# Altium PCB UmSELv1.PcbDoc (part 2 of 2) (continued)
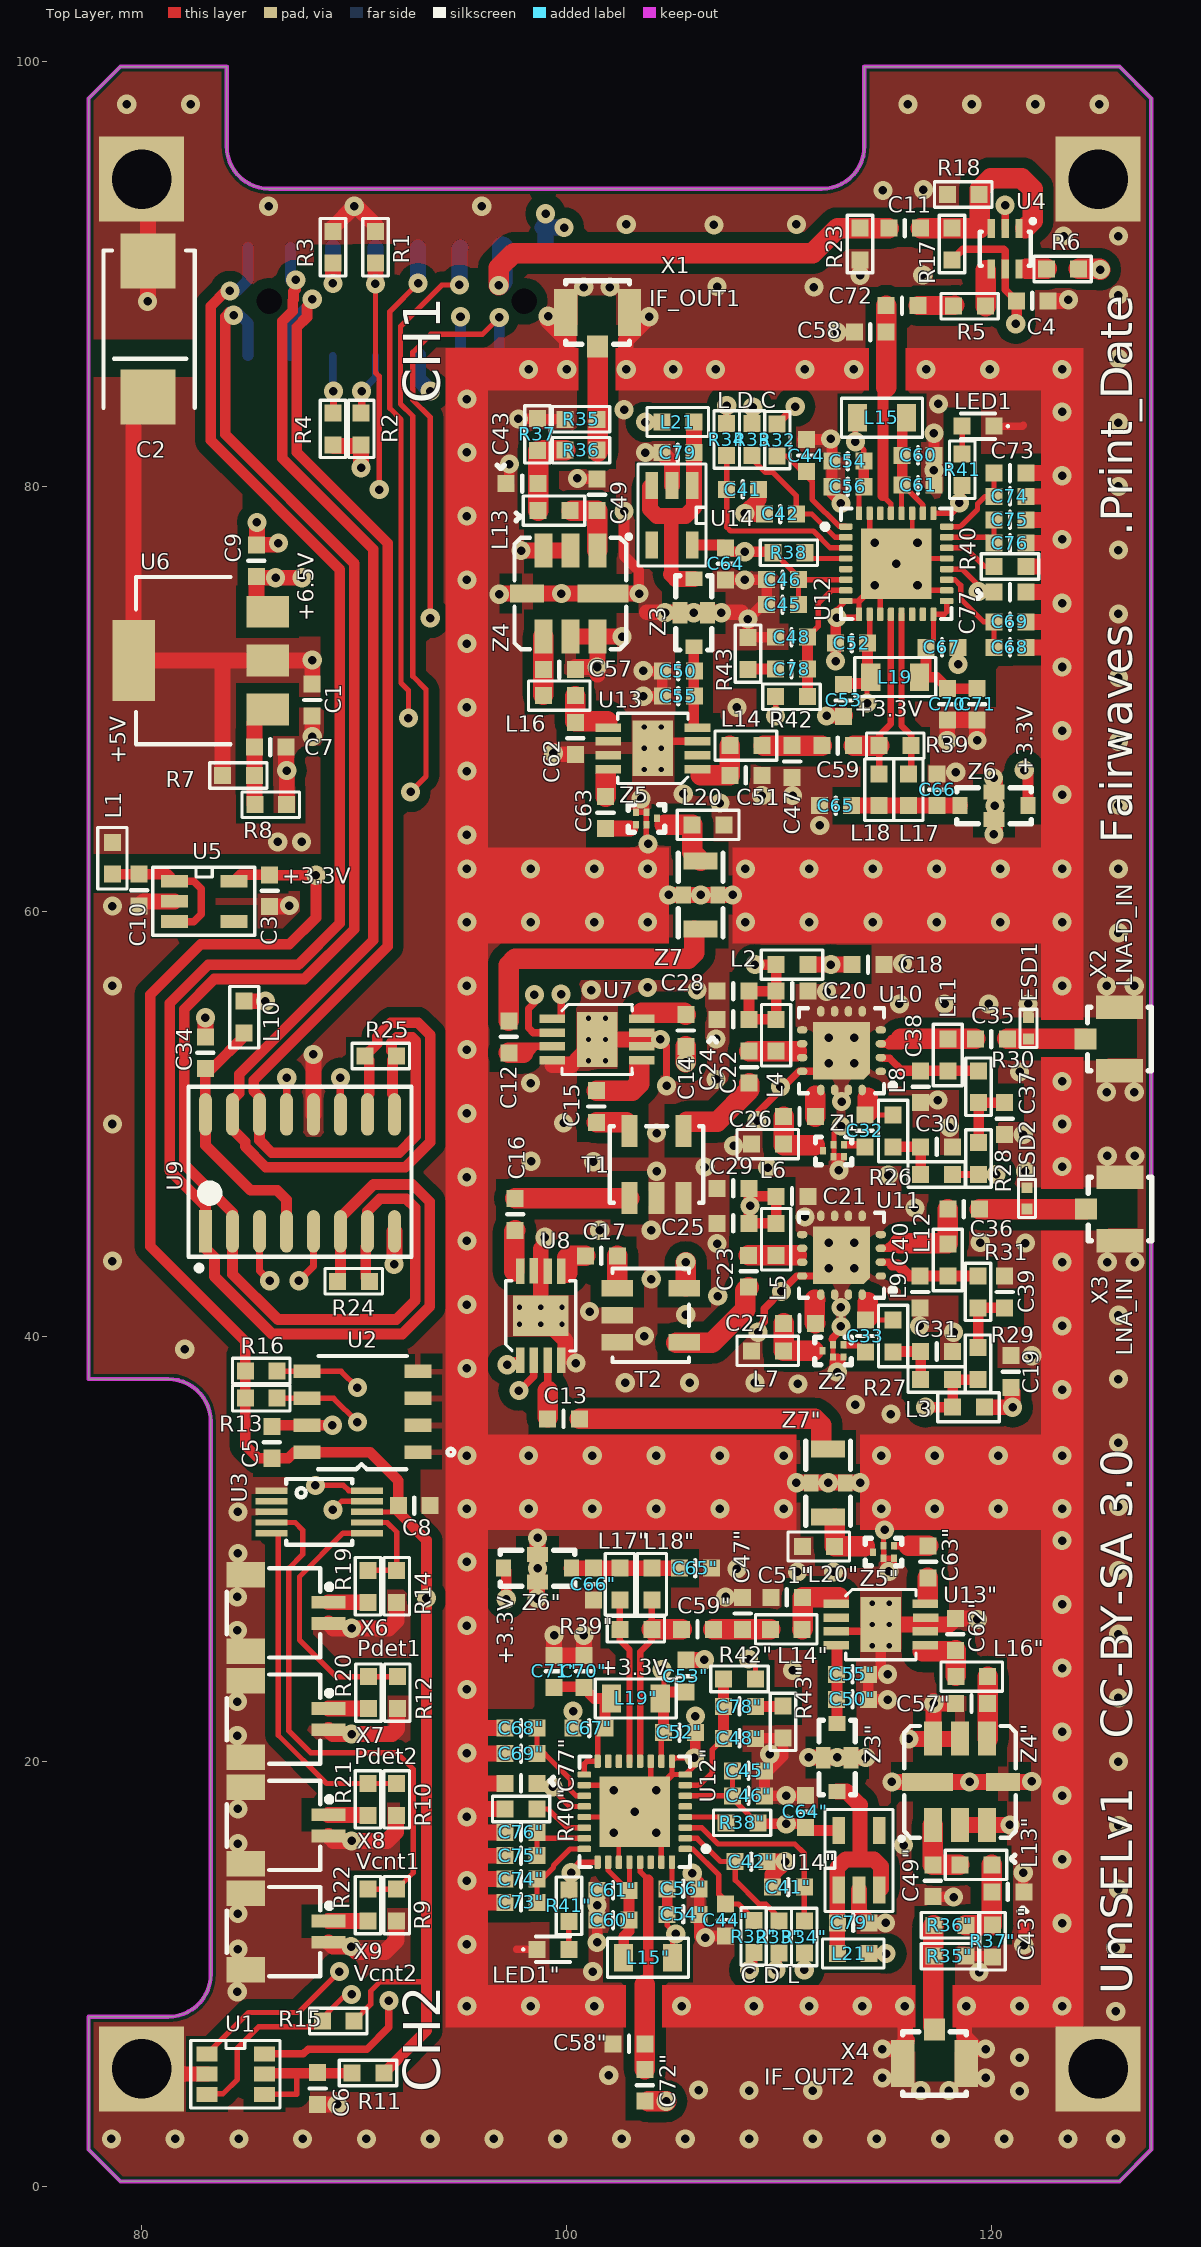
[diagram p0: Top Layer view]
## Nets (pads, with @x,y where several pads share a name; then routed paths per layer and width w, separated by ;. In a path a pad name is that pad's centre, name@x,y a point inside that pad or via, vN(x,y) a via of type N, cw(c..) or ccw(c..) an arc to the next point about the centre after c; other vN are vias at no path point) (continued)
  Top Layer w0.5: L1.2@78.625,61.75 C10.2@79.875,61.75 81.214,61.75 U5.1@81.54,61.424
NetC11_2: C11.2 R17.2 R18.1 U4.1 U4.3 | length 9.5
  Top Layer w0.965: C11.2@116.65,92.15 R17.2@118.125,92.15 119.425,92.15 119.425,93.975 119.95,94.5 121.394,94.5 121.925,93.969 121.925,92.5 121.575,92.15
NetC12_2: C12.2 U7.3 | length 2.9
  Top Layer w0.35: C12.2@97.65,53.65 98.55,53.65 ; 97.95,53.35 98.05,53.35 ; 98.25,53.35 98.55,53.65 ; U7.3@99.325,53.65 98.55,53.65
  Top Layer w0.965: C12.2@97.275,53.35 97.95,53.35
NetC13_2: C13.2 U8.3 | length 2.7
  Top Layer w0.35: 99.1,37.45 U8.3@99.1,38.875
  Top Layer w0.965: C13.2@99.1,36.2 99.1,37.45
NetC14_1: C14.1 U7.8 | length 2.1
  Top Layer w0.965: 103.525,55.233 105.517,55.233 C14.1@105.6,55.15
NetC14_2: C14.2 T2.4 | length 11.3
  Top Layer w0.965: T2.4@105.6,42.375 v2(105.6,43.5) ; v2(105.6,52.9) C14.2@105.6,53.65
  Internal1 w0.345: v2(105.6,43.5) v2(105.6,52.9)
NetC15_1: C15.1 U7.5 | length 2.9
  Top Layer w0.965: C15.1@101.4,51.575 103.075,51.575 103.4,51.9 103.4,52.7
NetC15_2: C15.2 T1.4 | length 1.4
  Top Layer w0.965: C15.2@101.4,50.075 T1.4@102.805,50.075
NetC16_1: C16.1 U8.8 | length 1.9
  Top Layer w0.965: 97.517,43.075 97.517,44.942 C16.1@97.575,45
NetC16_2: C16.2 T1.3 | length 5.4
  Top Layer w0.965: C16.2@97.575,46.5 T1.3@102.93,46.5
NetC17_1: C17.1 U8.5 | length 1.6
  Top Layer w0.965: 100.032,43 100.032,43.7 100.132,43.8 C17.1@100.875,43.8
NetC17_2: C17.2 T2.3 | length 1.2
  Top Layer w0.965: T2.3@102.375,42.57 C17.2@102.375,43.8
NetC20_2: C20.2 C24.2 C28.2 L2.2 L4.1 R26.2 R28.1 | length 30.8
  Top Layer w0.35: R26.2@118.15,47.625 R28.1@119.375,47.625 v2(120.2,47.625)
  Top Layer w0.5: v2(108.85,57.5) L2.2@109.85,57.5 C20.2@109.85,56.25 ; C20.2@109.85,56.25 L4.1@109.85,54.925 C24.2@108.575,54.925 C28.2@108.575,56.25 C20.2@109.85,56.25
  Internal1 w0.35: v2(108.85,57.5) 109.805,58.455 118.045,58.455 118.9,57.6 118.9,48.925 v2(120.2,47.625)
NetC21_2: C21.2 C25.2 C29.2 L3.2 L5.1 R27.2 R29.1 | length 25.2
  Top Layer w0.5: v2@108.625,46.175 108.625,46.55 C29.2@108.575,46.6 ; v2(116.875,36.675) L3.2@118.15,36.675 R27.2@118.15,37.975 R29.1@119.35,37.975 ; C29.2@108.575,46.6 C25.2@108.575,45.325 L5.1@109.85,45.325 C21.2@109.85,46.6 C29.2@108.575,46.6
  Internal1 w0.5: v2@108.625,46.175 108.625,46.2 109,46.575 112.706,46.575 114.7,44.581 114.7,40.55 116.875,38.375 v2(116.875,36.675)
  other v2: 108.625,46.15
NetC22_1: C22.1 T1.6 | length 3.9
  Top Layer w0.965: T1.6@105.645,50.1 107.075,50.1 108.575,51.6 C22.1@108.575,51.925
NetC22_2: C22.2 L4.2 U10.10 U10.11 | length 2.2
  Top Layer w0.965: C22.2@108.575,53.425 L4.2@109.85,53.425 110.818,53.425
NetC23_1: C23.1 T2.6 | length 5
  Top Layer w0.965: T2.6@105.15,39.7 106.828,39.7 108.385,41.257 108.385,42.16 C23.1@108.55,42.325
NetC23_2: C23.2 L5.2 U11.10 U11.11 | length 2.3
  Top Layer w0.965: C23.2@108.55,43.825 L5.2@109.85,43.825 110.817,43.825
NetC26_1: C26.1 U10.13 | length 1
  Top Layer w0.965: 111.693,51.325 111.693,50.357 C26.1@111.7,50.35
NetC26_2: C26.2 L6.1 Z1.1 | length 2.8
  Top Layer w0.965: C26.2@110.2,50.35 110.2,49 111.675,49
NetC27_1: C27.1 U11.13 | length 1.1
  Top Layer w0.965: 111.693,41.742 111.673,41.723 111.673,40.652 C27.1@111.7,40.625
NetC27_2: C27.2 L7.1 Z2.1 | length 2.7
  Top Layer w0.965: C27.2@110.2,40.625 L7.1@110.2,39.325 111.625,39.325
NetC30_1: C30.1 L8.1 R26.1 | length 2.6
  Top Layer w0.5: L8.1@115.35,48.925 C30.1@116.65,48.925 R26.1@116.65,47.625
NetC31_1: C31.1 L9.1 R27.1 | length 2.6
  Top Layer w0.5: L9.1@115.35,39.275 115.375,39.3 C31.1@116.65,39.3 R27.1@116.65,37.975
NetC32_1: C32.1 Z1.4 | length 1
  Top Layer w0.35: Z1.4@113.125,49.025 C32.1@114.062,49.025 ; C32.1@114,48.963 114,48.95 C32.1@114.025,48.925
NetC32_2: C32.2 L8.2 U10.16 | length 2
  Top Layer w0.25: C32.2@114.025,50.425 L8.2@115.35,50.425
  Top Layer w0.965: C32.2@114.157,50.557 114.157,51.225
NetC33_1: C33.1 Z2.4 | length 1.1
  Top Layer w0.345: Z2.4@113.075,39.6 113.725,39.6 C33.1@114.05,39.275
NetC33_2: C33.2 L9.2 U11.16 | length 2
  Top Layer w0.25: C33.2@114.05,40.775 L9.2@115.35,40.775
  Top Layer w0.965: C33.2@114.157,40.882 114.157,41.609
NetC34_2: C34.2 L10.1 U9.4 U9.16 | length 12.4
  Top Layer w0.5: L10.1@84.837,54.137 83.3,52.6 C34.2@83,52.6 83,50.455 U9.16@83.005,50.45 83.005,48.995 85.125,46.875 86.375,46.875 86.815,46.435 U9.4@86.815,44.95
NetC35_1: C35.1 L11.2 U10.3 | length 5.3
  Top Layer w0.35: 115.171,53.758 114.792,53.758 U10.3@114.775,53.775 115.049,53.775 115.274,54.001
  Top Layer w0.5: 115.171,53.758 115.708,53.758 115.708,54
  Top Layer w0.965: 115.708,54 L11.2@117.925,54 C35.1@119.225,54
NetC36_1: C36.1 L12.2 U11.3 | length 5.2
  Top Layer w0.35: U11.3@114.775,44.15 115.049,44.15 ; 115.324,44.426 115.049,44.15 ; 115.683,44.35 115.483,44.15 115.049,44.15
  Top Layer w0.965: 115.675,44.4 117.925,44.4 C36.1@117.925,46
NetC37_1: C37.1 R28.2 R30.2 | length 3.1
  Top Layer w0.5: R28.2@119.375,49.125 R30.2@119.375,51 C37.1@120.6,51
NetC38_1: C38.1 L11.1 R30.1 U10.2 | length 4.9
  Top Layer w0.35: U10.2@114.775,53.125 114.85,53.125 114.892,53.083 115.196,53.083 115.78,52.5
  Top Layer w0.5: 115.78,52.5 C38.1@116.65,52.5 R30.1@119.375,52.5
NetC39_1: C39.1 R29.2 R31.2 | length 3.1
  Top Layer w0.5: R29.2@119.35,39.475 R31.2@119.35,41.35 C39.1@120.6,41.35
NetC40_1: C40.1 L12.1 R31.1 U11.2 | length 4.8
  Top Layer w0.35: U11.2@114.775,43.5 115.175,43.5 115.31,43.365
  Top Layer w0.5: 115.31,43.365 115.585,43.365 116.1,42.85 C40.1@116.625,42.85 L12.1@117.925,42.85 R31.1@119.35,42.85
"NetC41\"_2": "C41\".2" "R34\".2" "U12\".3" | length 9.2
  Top Layer w0.25: 105.575,16.895 106.345,16.895 107.115,16.125 110.725,16.125 111.175,15.675 111.175,12.55
NetC41_2: C41.2 R34.2 U12.3 | length 9.4
  Top Layer w0.25: R34.2@107.525,81.45 C41.2@107.525,79.85 107.525,78.075 107.7,77.9 111.6,77.9 112.395,77.105 U12.3@113.125,77.105
"NetC42\"_2": "C42\".2" "R33\".2" "U12\".2" | length 6.6
  Top Layer w0.25: 105.575,16.395 106.135,16.395 107.23,15.3 107.925,15.3 107.925,14.425 109.05,13.3 109.355,13.3 109.943,12.712 110.137,12.712
NetC42_2: C42.2 R33.2 U12.2 | length 6.6
  Top Layer w0.25: R33.2@108.725,81.45 108.725,81.27 109.345,80.65 109.7,80.65 110.8,79.55 C42.2@110.8,78.7 111.525,78.7 112.62,77.605 U12.2@113.125,77.605
"NetC43\"_2": "C43\".2" "L13\".1" "R36\".2" "R37\".2" | length 4.1
  Top Layer w0.965: 118.775,12.3 119.999,12.3 120.004,12.305 119.975,12.334 ; 120,12.334 120,15.145
NetC43_2: C43.2 L13.1 R36.2 R37.2 | length 4.1
  Top Layer w0.965: L13.1@98.65,78.855 R37.2@98.65,81.666 ; R37.2@98.725,81.666 98.696,81.695 98.701,81.7 R36.2@99.925,81.7
"NetC44\"_2": "C44\".2" "R32\".2" "U12\".1" | length 5.1
  Top Layer w0.25: 105.575,15.895 105.928,15.895 107.155,14.668 107.155,13.77 107.625,13.3 108.075,13.3 108.8,12.575
NetC44_2: C44.2 R32.2 U12.1 | length 5.1
  Top Layer w0.25: R32.2@109.9,81.425 110.35,81.425 111.545,80.23 111.545,79.388 112.808,78.125 113.105,78.125 U12.1@113.125,78.105
"NetC47\"_1": "C47\".1" "C59\".2" "L14\".2" | length 2.7
  Top Layer w0.965: 106.9,26.225 108.275,26.225 109.575,26.225
NetC47_1: C47.1 C59.2 L14.2 | length 2.7
  Top Layer w0.965: L14.2@109.275,67.8 C47.1@110.6,67.8 C59.2@112,67.8
"NetC48\"_2": "C48\".2" "C78\".2" "R42\".1" "U12\".7" | length 6.1
  Top Layer w0.25: 105.575,18.895 106.245,18.895 106.85,19.5 106.85,20.57 107.375,21.095
  Top Layer w0.5: 107.375,21.095 107.375,22.595 107.375,23.895
NetC48_2: C48.2 C78.2 R42.1 U12.7 | length 6.1
  Top Layer w0.25: C48.2@111.325,72.905 111.825,73.405 111.825,74.475 112.455,75.105 U12.7@113.125,75.105
  Top Layer w0.5: R42.1@111.325,70.105 C78.2@111.325,71.405 C48.2@111.325,72.905
"NetC49\"_2": "C49\".2" "L13\".2" "Z4\".1" | length 3.1
  Top Layer w0.965: 117.225,15.15 117.225,17.001 ; 117.275,15.145 118.475,15.145
NetC49_2: C49.2 L13.2 Z4.1 | length 3.1
  Top Layer w0.965: L13.2@100.225,78.855 C49.2@101.425,78.855 101.425,77.004 Z4.1@101.44,76.989
"NetC50\"_1": "C50\".1" "C55\".1" "U13\".4" "Z3\".1" | length 3.6
  Top Layer w0.5: 112.715,21.79 112.715,25.4
NetC50_1: C50.1 C55.1 U13.4 Z3.1 | length 3.8
  Top Layer w0.5: U13.4@105.975,68.7 105.975,71.305 Z3.1@105.975,72.45
"NetC51\"_1": "C51\".1" "L14\".1" "U13\".1" | length 3.2
  Top Layer w0.965: 111.075,26.225 111.1,26.25 111.1,27.725 112.8,27.725
NetC51_1: C51.1 L14.1 U13.1 | length 2.8
  Top Layer w0.965: 106.3,66.4 C51.1@107.675,66.4 L14.1@107.675,67.8
"NetC57\"_2": "C57\".2" "L16\".1" "Z4\".5" | length 2.9
  Top Layer w0.965: 119.8,21.075 119.8,24
NetC57_2: C57.2 L16.1 Z4.5 | length 2.7
  Top Layer w0.965: L16.1@98.9,70.2 Z4.5@98.9,72.925
"NetC58\"_2": "C58\".2" "C72\".1" "U12\".29" | length 9.8
  Top Layer w0.25: 103.45,15.27 103.45,14.825 103.825,14.45
  Top Layer w0.5: 103.825,9.6 103.825,14.45
  Top Layer w0.965: 103.675,5.525 103.675,6.725 103.675,9.5
NetC58_2: C58.2 C72.1 U12.29 | length 10
  Top Layer w0.25: 114.875,79.55 115.25,79.175 U12.29@115.25,78.73
  Top Layer w0.5: 114.875,79.55 114.875,84.7
  Top Layer w0.965: 115.025,84.65 C58.2@115.025,87.25 C72.1@115.025,88.5
"NetC60\"_1": "C60\".1" "C61\".1" "L15\".2" "U12\".26" "U12\".28" | length 6.3
  Top Layer w0.25: 101.95,15.27 101.95,14.879 102.884,13.945 102.925,13.945 102.95,13.97 102.95,15.27
  Top Layer w0.5: 102.675,10.825 102.675,11.775 102.925,12.025 102.925,12.545 102.925,13.945
NetC60_1: C60.1 C61.1 L15.2 U12.26 U12.28 | length 6.3
  Top Layer w0.25: U12.28@115.75,78.73 115.75,80.03 C61.1@115.775,80.055 115.816,80.055 116.75,79.121 U12.26@116.75,78.73
  Top Layer w0.5: C61.1@115.775,80.055 C60.1@115.775,81.455 115.775,83.025 L15.2@115.975,83.225
"NetC62\"_2": "C62\".2" "L16\".2" "U13\".5" | length 2.7
  Top Layer w0.965: 116.74,25.19 118.24,25.19 ; 118.29,24.04 118.29,25.24
NetC62_2: C62.2 L16.2 U13.5 | length 2.6
  Top Layer w0.965: C62.2@100.4,68.945 101.9,68.945 ; C62.2@100.4,69 L16.2@100.4,70.125
"NetC63\"_1": "C63\".1" "U13\".8" | length 0.9
  Top Layer w0.965: 116.99,27.725 116.99,28.65
"NetC63\"_2": "C63\".2" "Z5\".4" | length 1.6
  Top Layer w0.35: 115.45,30.15 116.1,30.15
  Top Layer w0.965: 116.1,30.15 117,30.15
NetC63_1: C63.1 U13.8 | length 1
  Top Layer w0.965: C63.1@101.825,65.4 101.825,66.4
NetC63_2: C63.2 Z5.4 | length 1.2
  Top Layer w0.75: C63.2@101.825,63.9 102.975,63.9
"NetC65\"_1": "C65\".1" "C66\".2" "L17\".2" "L18\".2" "Z6\".3" | length 5.1
  Top Layer w0.75: 100.225,29.1 101.25,29.1 102.5,29.1 104,29.1 105.3,29.1
NetC65_1: C65.1 C66.2 L17.2 L18.2 Z6.3 | length 5.1
  Top Layer w0.75: C65.1@113.4,64.975 L18.2@114.7,64.975 L17.2@116.075,64.975 C66.2@117.425,64.975 Z6.3@118.5,64.975
"NetC67\"_1": "C67\".1" "C70\".1" "C71\".2" "L19\".2" "U12\".16" "U12\".17" | length 7.4
  Top Layer w0.25: 100.825,19.395 100.825,19.9 100.945,20.02 101.45,20.02 101.45,21.225 101.8,21.575
  Top Layer w0.5: 99.4,23.375 99.55,23.525 100.75,23.525 101.3,22.975 102.1,22.975 101.8,22.675 101.8,21.575
NetC67_1: C67.1 C70.1 C71.2 L19.2 U12.16 U12.17 | length 7.4
  Top Layer w0.25: C67.1@116.9,72.425 117.25,72.775 U12.16@117.25,73.98 117.755,73.98 117.875,74.1 U12.17@117.875,74.605
  Top Layer w0.5: C67.1@116.9,72.425 116.9,71.325 L19.2@116.6,71.025 117.4,71.025 117.95,70.475 119.15,70.475 C71.2@119.3,70.625
"NetC68\"_2": "C68\".2" "C69\".2" "U12\".19" | length 4.5
  Top Layer w0.25: 98.6,21.575 98.6,20.375 98.957,20.375 100.175,19.157 100.175,18.654 100.434,18.395 100.825,18.395
NetC68_2: C68.2 C69.2 U12.19 | length 4.6
  Top Layer w0.25: U12.19@117.875,75.605 118.266,75.605 118.531,75.34 118.531,74.712 119.618,73.625 C69.2@120.1,73.625 C68.2@120.1,72.425
"NetC73\"_1": "C73\".1" "C74\".1" "U12\".24" | length 4
  Top Layer w0.25: 98.6,13.375 98.6,14.475 98.83,14.475 99.375,15.02 99.375,15.113 100.157,15.895 100.825,15.895
NetC73_1: C73.1 C74.1 U12.24 | length 4.1
  Top Layer w0.25: U12.24@117.875,78.105 118.522,78.105 119.325,78.908 119.325,79.175 119.675,79.525 C74.1@120.1,79.525 C73.1@120.1,80.625
"NetC75\"_1": "C75\".1" "C76\".1" "U12\".23" | length 3.4
  Top Layer w0.25: 98.6,15.575 98.6,16.675 98.88,16.395 100.825,16.395
NetC75_1: C75.1 C76.1 U12.23 | length 3.4
  Top Layer w0.25: U12.23@117.875,77.605 119.82,77.605 C76.1@120.1,77.325 C75.1@120.1,78.425
"NetC77\"_1": "C77\".1" "R42\".2" "U12\".20" | length 17.5
  Top Layer w0.25: 98.6,18.975 98.825,18.975 99.168,18.632 99.393,18.632 100.13,17.895 100.825,17.895 ; v2(108.55,24.825) 108.875,24.5 108.875,23.895
  Internal1 w0.25: v2(99.35,18.815) 101.95,21.415 101.95,23.9 103.67,25.62 107.755,25.62 v2(108.55,24.825)
NetC77_1: C77.1 R42.2 U12.20 | length 17.3
  Top Layer w0.25: v2(109.825,69.2) R42.2@109.825,70.105 ; U12.20@117.875,76.105 118.595,76.105 119.675,75.025 C77.1@120.1,75.025
  Internal1 w0.25: v2(109.825,69.2) 110.725,68.3 114.35,68.3 116.75,70.7 116.75,72.448 v2(119.356,75.054)
"NetC78\"_1": "C78\".1" "R43\".1" | length 1.3
  Top Layer w0.5: 108.875,22.595 110.15,22.595 110.175,22.62
NetC78_1: C78.1 R43.1 | length 1.3
  Top Layer w0.5: R43.1@108.525,71.38 108.55,71.405 C78.1@109.825,71.405
"NetL20\"_1": "L20\".1" "Z5\".1" "Z7\".1" | length 2.7
  Top Layer w0.965: 112.6,31.425 112.6,30.125 114.025,30.125
NetL20_1: L20.1 Z5.1 Z7.1 | length 3.2
  Top Layer w0.965: 104.6,64.075 L20.1@105.9,64.075 105.9,62.775 Z7.1@106.3,62.375
"NetLED1\"_2": "LED1\".2" "R41\".2" | length 1.3
  Top Layer w0.25: 100.1,11.17 100.1,12.47
NetLED1_2: LED1.2 R41.2 | length 1.3
  Top Layer w0.25: R41.2@118.6,81.53 LED1.2@118.6,82.83
NetR5_2: R5.2 U4.4 | length 1.7
  Top Layer w0.965: R5.2@119.7,88.475 119.7,90.175
NetR6_2: R6.2 U4.6 | length 1
  Top Layer w0.965: 121.625,90.225 R6.2@122.575,90.225
NetR9_1: R9.1 R22.1 U3.4 | length 25.3
  Top Layer w0.25: U3.4@86.1,31.25 87.226,31.25 87.575,30.901 87.575,29.75 86.925,29.1 86.925,21.45 87.95,20.425 91.999,20.425 92.775,19.649 92.775,14.775 R9.1@92,14 R22.1@90.65,14
NetR10_1: R10.1 R21.1 U3.5 | length 16.3
  Top Layer w0.25: U3.5@86.1,30.75 86.4,30.75 86.425,30.725 86.425,21.243 88.693,18.975 R21.1@90.65,18.975 R10.1@92,18.975
NetR12_1: R12.1 R20.1 U3.6 | length 12.3
  Top Layer w0.25: U3.6@90.6,30.75 89.475,30.75 87.425,28.7 87.425,25.725 89.15,24 R20.1@90.675,24 R12.1@92.025,24
NetR14_1: R14.1 R19.1 U3.7 | length 4.7
  Top Layer w0.25: U3.7@90.6,31.25 91.55,31.25 92,30.8 R14.1@92,29 R19.1@90.65,29
NetR19_2: R19.2 X6.1 | length 1.8
  Top Layer w0.75: X6.1@88.8,27.5 R19.2@90.65,27.5
NetR20_2: R20.2 X7.1 | length 1.9
  Top Layer w0.75: X7.1@88.8,22.5 R20.2@90.675,22.5
NetR21_2: R21.2 X8.1 | length 1.9
  Top Layer w0.75: X8.1@88.8,17.5 90.625,17.5 R21.2@90.65,17.475
NetR22_2: R22.2 X9.1 | length 1.8
  Top Layer w0.75: X9.1@88.8,12.5 R22.2@90.65,12.5
"NetR38\"_2": "R38\".2" "U12\".4" | length 2.1
  Top Layer w0.25: 105.575,17.395 107.175,17.395 107.5,17.07
NetR38_2: R38.2 U12.4 | length 2.1
  Top Layer w0.25: R38.2@111.2,76.93 111.525,76.605 U12.4@113.125,76.605
"NetR40\"_1": "R40\".1" "U12\".22" | length 2.6
  Top Layer w0.25: 98.6,17.775 99.125,17.775 100.005,16.895 100.825,16.895
NetR40_1: R40.1 U12.22 | length 2.6
  Top Layer w0.25: U12.22@117.875,77.105 118.77,77.105 119.65,76.225 R40.1@120.1,76.225
NetU7_1: U7.1 U9.13 | length 19
  Top Layer w0.35: U9.13@86.815,50.45 86.825,50.46 v2(86.825,52.175) ; U7.1@99.325,54.95 99.7,54.95 99.73,54.98 v2(99.73,56.103)
  Internal1 w0.35: v2(86.825,52.175) 87.9,52.175 88.85,51.225 90.313,51.225 93.788,54.7 98.45,54.7 99.631,55.881 99.631,56.102 99.631,56.111 v2@99.739,56.111 ; v2@99.64,55.828 99.64,56.012 v2(99.73,56.103)
NetU7_2: U7.2 U9.11 | length 15.4
  Top Layer w0.35: v2(89.35,52.175) 89.35,50.455 U9.11@89.355,50.45 ; v2(98.48,56.078) 98.48,55.705 98.2,55.425 98.2,54.525 98.425,54.3 U7.2@99.325,54.3
  Internal1 w0.35: v2(89.35,52.175) 90.415,52.175 93.54,55.3 97.702,55.3 v2(98.48,56.078)
NetU8_1: U8.1 U9.5 | length 15.1
  Top Layer w0.35: v2(87.4,42.625) 88.085,43.31 U9.5@88.085,44.95 ; v2(97.2,38.675) 97.4,38.875 U8.1@97.8,38.875
  Internal1 w0.35: v2(87.4,42.625) 87.75,42.275 91.624,42.275 93.399,40.5 96.049,40.5 97,39.549 97,38.875 v2(97.2,38.675)
NetU8_2: U8.2 U9.3 | length 18.8
  Top Layer w0.35: U9.3@85.545,44.95 85.545,43.105 v2(86.025,42.625) ; v2(97.744,37.462) 97.788,37.462 98.45,38.124 U8.2@98.45,38.875
  Internal1 w0.35: v2(86.025,42.625) 86.975,41.675 91.375,41.675 93.15,39.9 95.8,39.9 96.325,39.375 96.325,38.313 96.838,37.8 97.282,37.8 97.682,37.4 v2(97.744,37.462)
RF1: C12.1 Z7.3 | length 12.6
  Top Layer w0.965: C12.1@97.275,54.85 97.275,57.475 97.567,57.767 105.717,57.767 106,58.05 Z7.3@106,59.1
RF2: "Z7\".3" C13.1 | length 12.5
  Top Layer w0.965: C13.1@100.6,36.133 111.667,36.133 111.975,35.825 111.975,34.875
SCL: R16.2 U1.1 U2.6 U3.10 X5.9 | length 102.7
  Top Layer w0.25: U1.1@83.075,6.25 85.025,8.2 87.375,8.2 v2(89.3,10.125) ; R16.2@86.375,37.1 87.785,37.1 U2.6@87.79,37.095 89.03,37.095 v2(90.15,35.975) ; v2(88.175,33) 89.5,33 89.75,32.75 U3.10@90.6,32.75
  Internal1 w0.25: v2(89.3,10.125) 88.925,10.5 88.925,30.258 88.175,31.008 v2(88.175,33) 90.15,34.975 v2(90.15,35.975) 89.225,36.9 88.179,36.9 81.15,43.929 81.15,66.5 87.35,72.7 89.125,72.7 93.58,77.155 v1(93.58,84.479)
  Bottom Layer w0.75: X5.9@93,86.156 93,85.059 v1(93.58,84.479)
SDA: R13.2 U1.6 U2.5 U3.9 X5.10 | length 111.4
  Top Layer w0.25: R13.2@86.375,38.375 87.78,38.375 U2.5@87.79,38.365 89.385,38.365 v2(90.15,37.6) ; v2@89.05,31.8 v2(89,31.85) 89.4,32.25 U3.9@90.6,32.25 ; v2(92.55,69.1) 92.55,70.4 92.205,70.745 92.205,83.145 91.675,83.675 91.675,88.225 v1(93.005,89.554)
  Top Layer w0.35: U1.6@85.8,6.25 87.603,6.25 87.828,6.475 90.6,6.475 91.632,7.507 v2(91.632,8.75)
  Internal1 w0.25: v2(91.632,8.75) 91.632,16.043 91.025,16.65 91.025,29.825 v2(89,31.85) 91.025,33.875 91.025,36.725 v2(90.15,37.6) 88.2,37.6 81.65,44.15 81.65,63.325 87.425,69.1 v2(92.55,69.1)
  Bottom Layer w0.75: X5.10@93,91.244 93,89.559 v1(93.005,89.554)
pads on no net: "U12\".5" "U12\".14" "U12\".15" "U12\".30" "U13\".2" "U14\".4" U3.2 U5.4 U12.5 U12.14 U12.15 U12.30 U13.2 U14.4 X5.0

## Polygon pours and split planes (outlines as drawn)
GND on Top Layer "GND" (solid, remove dead copper, pour order 6): 77.5,98.25 79,99.75 84,99.75 84,96 86,94 112,94 114,96 114,99.75 126,99.75 127.5,98.25 127.5,1.75 126,0.25 79,0.25 77.5,1.75 77.5,8 81.25,8 83.25,10 83.25,36 81.25,38 77.5,38
+5V on Top Layer "+5V" (solid, pour order 2): 77.5,85.225 84.952,85.225 85.784,84.733 85.705,84.686 85.705,82.392 85.744,82.392 88.321,80.87 88.4,80.823 88.4,62.723 77.54,62.723 77.5,62.7
GND on Bottom Layer "+5V" (solid, pour order 3): 77.5,98.25 79,99.75 84,99.75 84,96 86,94 112,94 114,96 114,99.75 127.475,99.75 127.5,99.725 127.5,1.75 126,0.25 79,0.25 77.5,1.75 77.5,8 81.25,8 83.25,10 83.25,36 81.25,38 77.5,38
no net on Bottom Solder "NoMask" (solid): 76.68,99.95 82.8,99.95 82.8,84.2 84,83 100.2,83 101.45,84.25 101.45,99.975 101.475,99.95 128.025,99.95 128.025,0.05 76.7,0.05
GND on InternalPlane (split plane): 126.99,98.039 126.99,1.961 125.789,0.76 79.211,0.76 78.01,1.961 78.01,7.49 81.25,7.49 81.251,7.49 81.469,7.499 81.686,7.528 81.9,7.575 82.109,7.641 82.311,7.725 82.505,7.826 82.69,7.944 82.864,8.077 83.025,8.225 83.173,8.386 83.306,8.56 83.424,8.745 83.525,8.939 83.609,9.141 83.675,9.35 83.722,9.564 83.751,9.781 83.76,9.999 83.76,10 83.76,36 83.76,36.001 83.751,36.219 83.722,36.436 83.675,36.65 83.609,36.859 83.525,37.061 83.424,37.255 83.306,37.44 83.173,37.614 83.025,37.775 82.864,37.923 82.69,38.056 82.505,38.174 82.311,38.275 82.109,38.359 81.9,38.425 81.686,38.472 81.469,38.501 81.251,38.51 81.25,38.51 78.01,38.51 78.01,98.039 79.211,99.24 83.49,99.24 83.49,96 83.49,95.999 83.499,95.781 83.528,95.564 83.575,95.35 83.641,95.141 83.725,94.939 83.826,94.745 83.944,94.56 84.077,94.386 84.225,94.225 84.386,94.077 84.56,93.944 84.745,93.826 84.939,93.725 85.141,93.641 85.35,93.575 85.564,93.528 85.781,93.499 85.999,93.49 86,93.49 112,93.49 112.001,93.49 112.219,93.499 112.436,93.528 112.65,93.575 112.859,93.641 113.061,93.725 113.255,93.826 113.44,93.944 113.614,94.077 113.775,94.225 113.923,94.386 114.056,94.56 114.174,94.745 114.275,94.939 114.359,95.141 114.425,95.35 114.472,95.564 114.501,95.781 114.51,95.999 114.51,96 114.51,99.24 125.789,99.24

## Keep-outs
Keep-Out Layer:
  the board outline again, w0.2

## Other copper
Top Layer:
  rectangle net GND: 94.3,54.875 96.3,86.5
  rectangle net GND: 122.3,54.9 124.3,86.5
  region net GND: 124.3,58.5 124.3,63 107.8,63 107.8,58.5
  region net GND: 115.925,86.5 115.925,84.5 124.3,84.5 124.3,86.5
  region net GND: 102.3,86.5 102.3,84.5 114.225,84.5 114.225,86.5
  region net GND: 94.35,86.5 94.35,84.5 100.55,84.5 100.55,86.5
  region net GND: 104.8,58.5 104.8,63 94.35,63 94.35,58.5
  region net GND: 96.3,61.2 94.3,61.2 94.3,7.5 96.3,7.5
  region net GND: 102.775,7.5 102.775,9.5 94.3,9.5 94.3,7.5
  region net GND: 124.3,45 122.3,45 122.3,7.5 124.3,7.5
  region net GND: 124.3,7.5 124.3,9.5 118.15,9.5 118.15,7.5
  region net GND: 116.4,7.5 116.4,9.5 104.475,9.5 104.475,7.5
  region net GND: 124.3,53.15 122.3,53.15 122.3,46.95 124.3,46.95
  region net GND: 113.8,35.4 113.8,30.9 124.25,30.9 124.25,35.4
  region net GND: 94.3,35.4 94.3,30.9 110.8,30.9 110.8,35.4
  pour cut-out: 118.225,4.975 116.425,4.975 116.425,6.8 118.225,6.8
  pour cut-out: 126.85,46.925 126.85,45.125 125.025,45.125 125.025,46.925
  pour cut-out: 126.825,54.925 126.825,53.125 125,53.125 125,54.925
  pour cut-out: 100.525,89 102.325,89 102.325,87.175 100.525,87.175
  pour cut-out: 91.925,88.725 91.925,72.925 84.725,72.925 84.725,88.725
  pour cut-out: 77.55,85.125 77.55,86.925 82.675,86.925 82.675,85.125
  pour cut-out: 98.275,12.45 96.125,12.45 96.125,22.475 98.254,22.475
  pour cut-out: 120.775,81.525 122.575,81.525 122.575,71.55 120.775,71.55
  pour cut-out: 86.841,38.115 93.133,38.115 93.133,31.5 86.854,31.5

## Silkscreen, mask and mechanical layers (free items; w line width, h text height)
Top Overlay:
  lines w0.254: 96.716,81 96.866,80.85 96.925,80.85 97.07,80.995 ; 97.618,78.389 97.768,78.539 97.768,78.599 97.623,78.744 ; 99.37,18.92 99.225,19.066 99.225,19.125 99.375,19.275 ; 106.68,53.88 106.825,54.025 106.884,54.025 107.034,53.875 ; 119.325,74.725 119.475,74.875 119.475,74.934 119.33,75.08 ; 121.077,15.256 120.932,15.401 120.932,15.461 121.082,15.611 ; 121.28,12.955 121.425,13.1 121.484,13.1 121.634,12.95
  text "IF_OUT1" at 103.875,88.475 h0.75
  text "CH1" at 94.05,83.875 h1.75 r90
  text "L D C" at 107.075,83.675 h0.75
  text ".Print_Date" at 126.6,77.675 h1.5 r90
  text "+6.5V" at 88.1,73.65 h0.75 r90
  text "+3.3V" at 113.531,69.155 h0.75
  text "+5V" at 79.247,66.947 h0.75 r90
  text "+3.3V" at 121.925,66.425 h0.75 r90
  text "Fairwaves" at 126.6,63.2 h1.5 r90
  text "+3.3V" at 86.625,61.3 h0.75
  text "LNA-D_IN" at 126.6,56.45 h0.75 r90
  text "LNA_IN" at 126.6,39.1 h0.75 r90
  text "Pdet1" at 90.15,24.95 h0.75
  text "+3.3V" at 97.475,24.55 h0.75 r90
  text "+3.3V" at 101.525,24.075 h0.75
  text "CC-BY-SA 3.0" at 126.6,21.075 h1.5 r90
  text "Pdet2" at 90,19.874 h0.75
  text "Vcnt1" at 90.1,14.95 h0.75
  text "Vcnt2" at 89.975,9.675 h0.75
  text "C D L" at 108.175,9.575 h0.75
  text "UmSELv1" at 126.6,9.05 h1.5 r90
  text "IF_OUT2" at 109.3,4.8 h0.75
  text "CH2" at 94.05,4.45 h1.75 r90
Top Solder:
  region: 122.65,9.5 118.15,9.5 118.15,7.5 122.65,7.5
  region: 124.3,32.9 122.3,32.9 122.3,7.925 124.3,7.925
  region: 116.4,9.5 104.475,9.5 104.475,7.5 116.4,7.5
  region: 102.775,9.5 94.3,9.5 94.3,7.5 102.775,7.5
  region: 96.3,32.9 94.3,32.9 94.3,7.5 96.3,7.5
  rectangle: 94.3,58.5 104.8,60.5
  rectangle: 107.8,58.5 124.3,60.5
  rectangle: 122.3,61 124.3,86.5
  rectangle: 115.925,84.5 124.3,86.5
  rectangle: 102.3,84.5 114.225,86.5
  rectangle: 94.3,61 96.3,86.5
  rectangle: 94.35,84.5 100.55,86.5
  region: 128.025,97 128.025,99.95 76.68,99.95 76.68,97
  region: 76.7,2.988 76.7,0.05 128.025,0.05 128.025,2.988
  rectangle: 94.3,61 104.8,63
  rectangle: 107.8,61 124.3,63
  region: 96.3,33.4 96.3,60.5 94.3,60.5 94.3,33.4
  region: 124.3,54.9 124.3,60.5 122.3,60.5 122.3,54.9
  region: 124.3,46.95 124.3,53.15 122.3,53.15 122.3,46.95
  region: 124.3,33.4 124.3,45 122.3,45 122.3,33.4
  region: 110.8,32.9 94.3,32.9 94.3,30.9 110.8,30.9
  region: 124.3,32.9 113.8,32.9 113.8,30.9 124.3,30.9
  region: 110.8,35.4 94.3,35.4 94.3,33.4 110.8,33.4
  region: 124.3,35.4 113.8,35.4 113.8,33.4 124.3,33.4
  rectangle: 83.925,24.3 85.875,24.725
  rectangle: 83.925,19.3 85.875,19.725
  rectangle: 83.925,14.3 85.875,14.725
Bottom Solder:
  region: 128.2,94 128.2,99.95 76.68,99.95 76.68,94
  region: 76.625,3.05 76.625,0.05 128.025,0.05 128.025,3.05
  pour cut-out: 111.525,52.065 111.525,54.875 112.025,54.875 112.025,52.575 112.725,52.575 112.725,53.275 112.025,53.275 112.025,53.675 112.725,53.675 112.725,54.475 113.125,54.475 113.125,53.675 113.925,53.675 113.925,53.275 113.125,53.275 113.125,52.575 113.925,52.575 113.925,54.475 112.025,54.475 112.025,54.875 114.422,54.875 114.428,52.065
  pour cut-out: 111.5,42.39 111.5,45.2 112,45.2 112,42.9 112.7,42.9 112.7,43.6 112,43.6 112,44 112.7,44 112.7,44.8 113.1,44.8 113.1,44 113.9,44 113.9,43.6 113.1,43.6 113.1,42.9 113.9,42.9 113.9,44.8 112,44.8 112,45.2 114.397,45.2 114.403,42.39
  pour cut-out: 117.7,74.11 113.3,74.11 113.3,78.51 117.7,78.51 117.7,77.81 116,77.81 116,76.81 115,76.81 115,77.81 114,77.81 114,76.91 115.1,76.91 115.1,75.81 114,75.81 114,74.91 115,74.91 115,75.91 116,75.91 116,74.91 117,74.91 117,75.81 115.9,75.81 115.9,76.91 117,76.91 117,77.91 117.7,77.91
  pour cut-out: 105.4,15.4 101,15.4 101,19.8 105.4,19.8 105.4,19.1 103.7,19.1 103.7,18.1 102.7,18.1 102.7,19.1 101.7,19.1 101.7,18.2 102.8,18.2 102.8,17.1 101.7,17.1 101.7,16.2 102.7,16.2 102.7,17.2 103.7,17.2 103.7,16.2 104.7,16.2 104.7,17.1 103.6,17.1 103.6,18.2 104.7,18.2 104.7,19.2 105.4,19.2
Mechanical 2:
  circle w0.254: c80,5.55 r1.4
  circle w0.254: c80,94.45 r1.4
  circle w0.254: c156,94.45 r1.4
  circle w0.254: c156,5.55 r1.4
  lines w0.254: 72.925,50 161.8,50 ; 77.825,5.55 82.975,5.55 ; 77.825,94.45 82.35,94.45 ; 80,3.3 80,7.5 ; 80,91.475 80,96.65 ; 153.025,5.55 157.975,5.55 ; 153.025,94.45 158,94.45 ; 156,3.55 156,7.3 ; 156,92.7 156,96.525 ; 158.5,3 77.5,3 77.5,8 81.9,8 83,9.1 83,37 82,38 77.5,38 77.5,97 82.8,97 82.8,84.2 84,83 100.2,83 101.45,84.25 101.45,97 158.5,97 158.5,92.2 148.7,92.2 147.75,91.25 147.75,8.95 149,7.7 158.5,7.7 158.5,3.025

## Text inside footprints (layer, text, board x,y; h text height)
X5: Mechanical 2 "2" at 83.325,90.55 h0.5 r180; Mechanical 2 "1" at 83.45,87.25 h0.5 r180